# Altium PCB 2225B_VumetreFrequence_LDA.PcbDoc (part 1 of 2)
Units mm, origin at the board's own origin, x right, y up, seen from the top; angles counter-clockwise.
Board outline 167.64 x 107.19 mm, 2 copper layers (Top Layer, Bottom Layer), stack 1.586 mm thick; 145 components, 125 nets, 447 pads, 361 vias.
Unrouted connection lines stored in the file: 94.
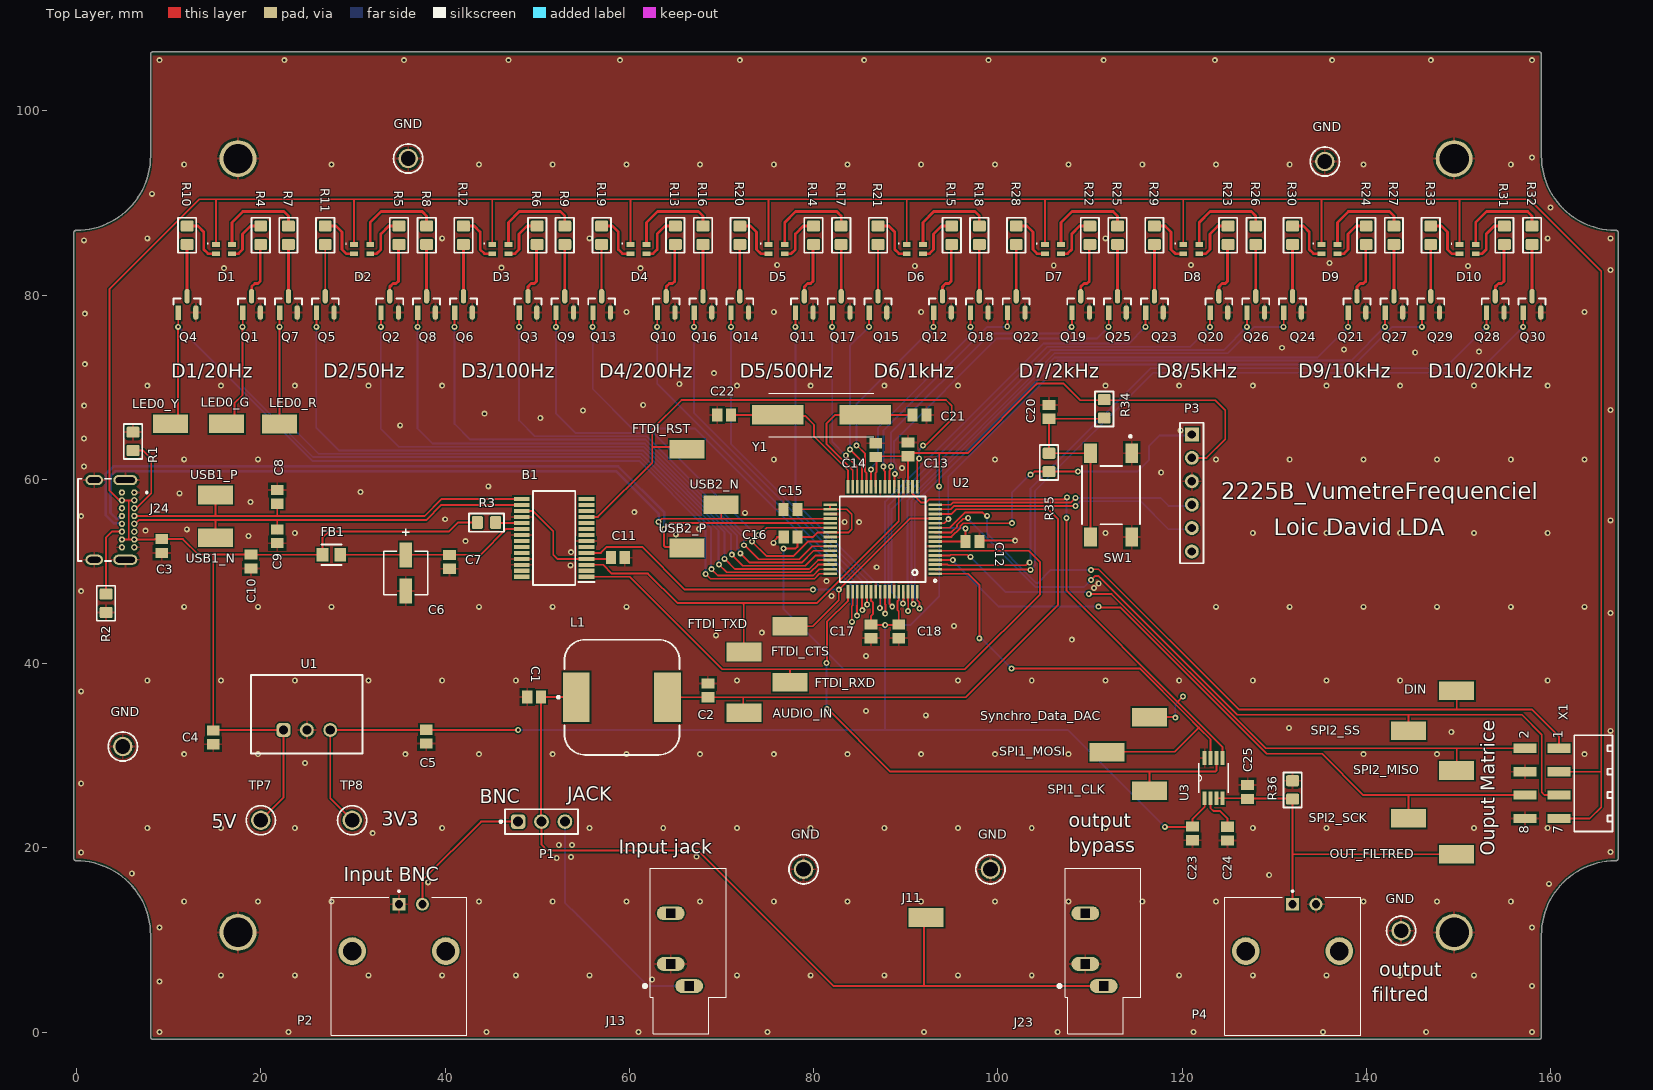
[diagram p0: Top Layer view]
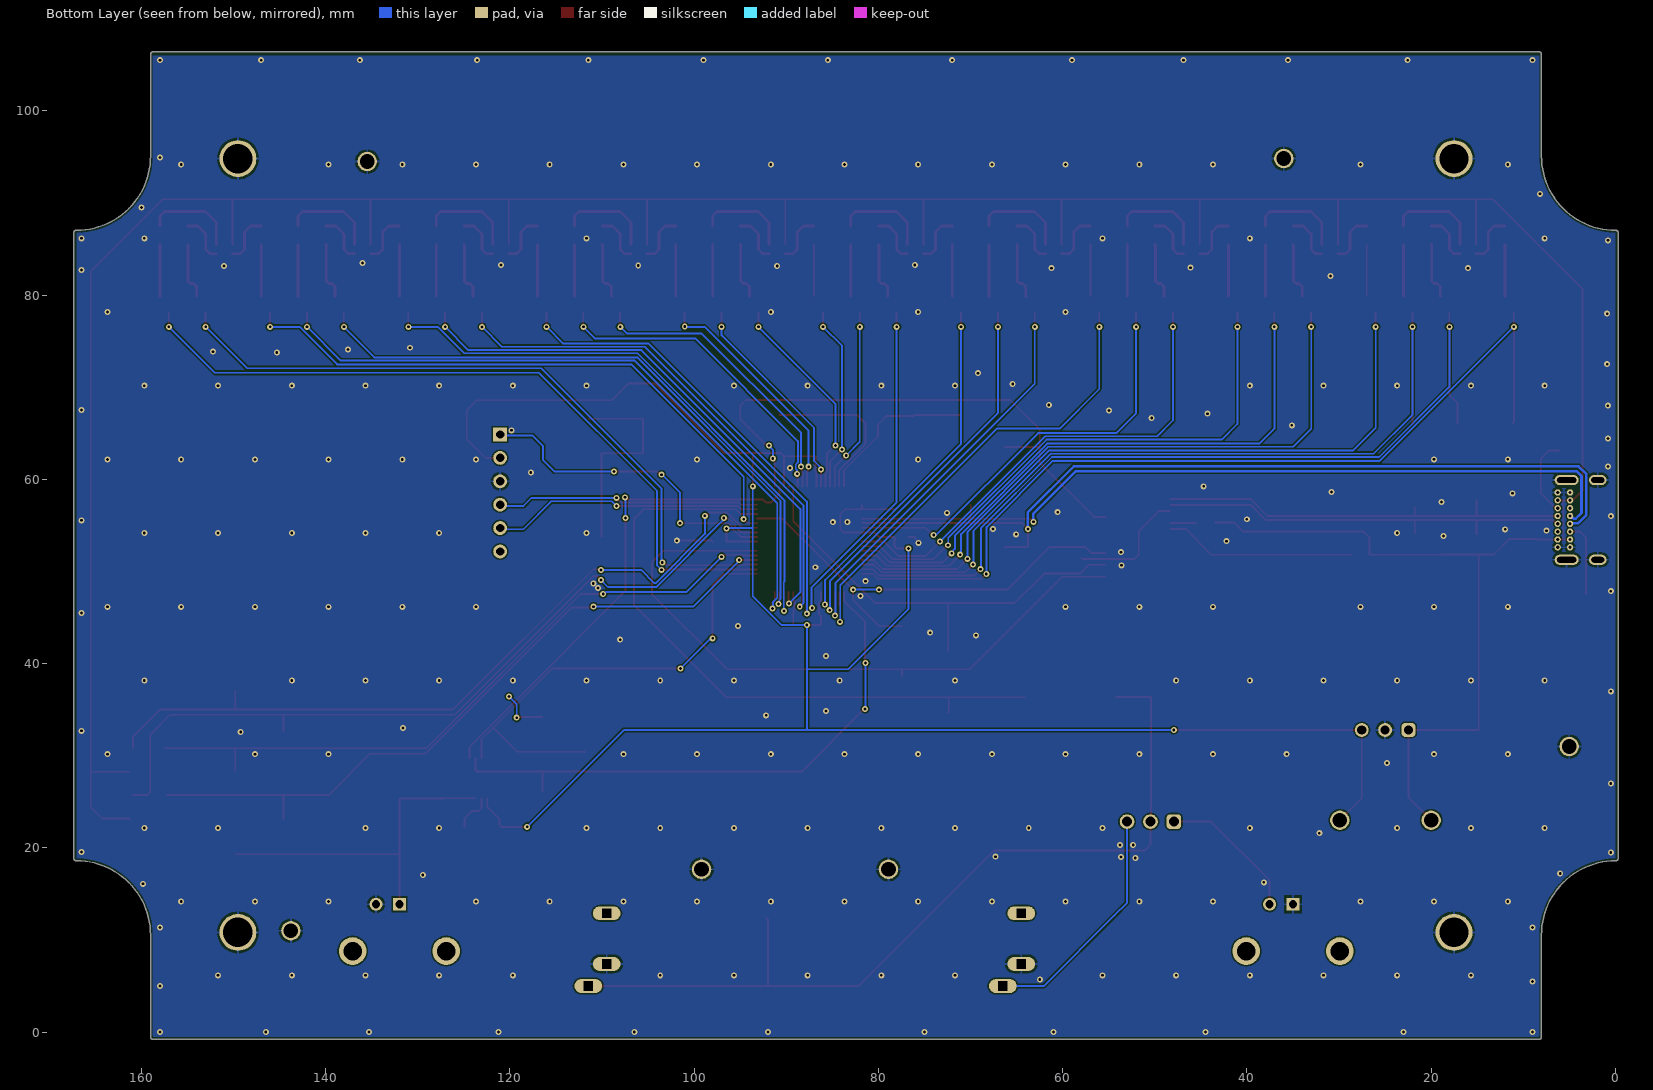
[diagram p1: Bottom Layer view, seen from below]
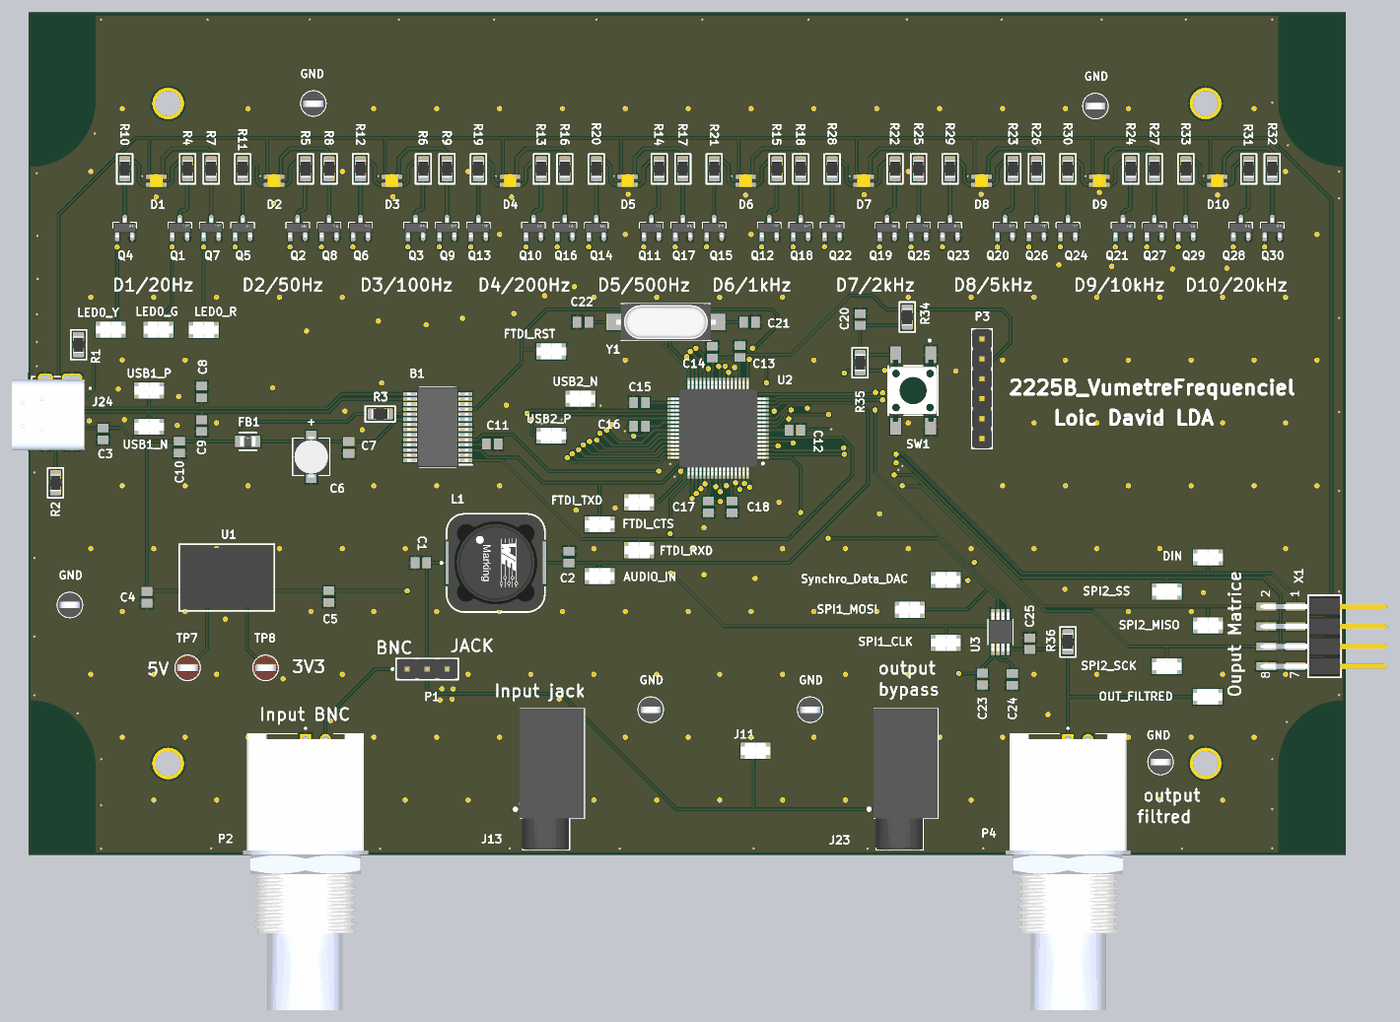
[diagram p3: 3D render of the assembled board from above, using the file's embedded part models]

## Layer stack, top to bottom
Top Solder: solder mask 0.0102, Solder Resist, Dk 3.5
Top Layer: signal copper 0.018
Dielectric1: core 1.55, FR-4, Dk 4.8
Bottom Layer: signal copper 0.018
Bottom Solder: solder mask 0.0102, Solder Resist, Dk 3.5

## Board outline
-0.044,18.606 cw(c-0.044,18.856) -0.294,18.856 -0.294,86.776 cw(c-0.044,86.776) -0.044,87.026 ccw(c-0.044,95.107) 8.037,95.107 8.037,106.116 8.034,106.156 cw(c8.288,106.156) 8.288,106.41 8.328,106.407 158.757,106.407 cw(c158.757,106.156) 159.008,106.156 159.008,95.107 ccw(c167.088,95.107) 167.049,87.026 167.088,87.03 cw(c167.088,86.776) 167.342,86.776 167.339,86.736 167.339,18.896 167.342,18.856 cw(c167.088,18.856) 167.088,18.603 167.049,18.606 ccw(c167.088,10.525) 159.008,10.525 159.008,-0.484 159.011,-0.524 cw(c158.757,-0.524) 158.757,-0.777 158.717,-0.774 8.328,-0.774 8.288,-0.777 cw(c8.288,-0.524) 8.034,-0.524 8.037,-0.484 8.037,10.525 ccw(c-0.044,10.525)

## Design rules (kind name [scope] priority, off if disabled: settings)
BoardOutlineClearance [All] p1: gap=0.25 ignorepadtopadclearanceinfootprint=FALSE except(0: Arc-SplitContinuation Track-SplitContinuation SMDPad-SplitContinuation THPad-SplitContinuation Via-SplitContinuation Fill-SplitContinuation Poly-SplitContinuation Region-SplitContinuation Text-SplitContinuation)
Clearance Clearance-xPP-xTP-xTT [All] p1: gap=0.151 ignorepadtopadclearanceinfootprint=FALSE
ComponentClearance [All] p1: gap=0.25 collisioncheckmode=3 verticalgap=0.25 showdistances=FALSE
DiffPairsRouting [All] p1: maxlimit=0.25 minlimit=0.25 mostfreqgap=0.25 toplayer_minwidth=0.1 toplayer_maxwidth=0.381 toplayer_prefwidth=0.381 bottomlayer_minwidth=0.1 bottomlayer_maxwidth=0.381 bottomlayer_prefwidth=0.381 maxuncoupledlength=12.5
Height [All] p1: minheight=0 maxheight=25 prefheight=12.5
HoleSize HoleSize-PTH [All] p1: absolutevalues=TRUE maxlimit=10 minlimit=0.25 maxpercent=80.000 minpercent=20.000
HoleToHoleClearance [All] p1: gap=0.35 allowstackedmicrovias=TRUE
MinimumAnnularRing "Minimum IAR  >0.45mm" [((ObjectKind = 'Pad') OR (ObjectKind = 'Via')) And (Layer = 'MultiLayer') And (HoleDiameter > AsMM(0.45))] p1: minimumring=0.13 // minimum inner annular ring for pads > 0.45mm finished hole size
MinimumAnnularRing "Minimum IAR <=0.45mm" [((ObjectKind = 'Pad') OR (ObjectKind = 'Via')) And (Layer = 'MultiLayer') And (HoleDiameter <= AsMM(0.45))] p2: minimumring=0.13 // minimum inner annular ring for pads <= 0.45mm finished hole size
MinimumSolderMaskSliver [All] p1: minsoldermaskwidth=0.08
PasteMaskExpansion [All] p1: expansion=-0.025
PlaneClearance PlaneClearance-IPI [All] p1: clearance=0.25
PlaneConnect [All] p1: planeconnectstyle=Relief reliefexpansion=0.175 reliefentries=4 reliefconductorwidth=0.2 reliefairgap=0.2
PolygonConnect PolygonConnect_Via [InNet('GND')] p1: thpad.connectstyle=Relief thpad.reliefconductorwidth=0.254 thpad.reliefentries=4 thpad.polygonreliefangle="90 Angle" thpad.airgapwidth=0.254 smdpad.connectstyle=Relief smdpad.reliefconductorwidth=0.254 smdpad.reliefentries=4 smdpad.polygonreliefangle="90 Angle" smdpad.airgapwidth=0.254 via.connectstyle=Direct via.reliefconductorwidth=0.254 via.reliefentries=4 via.polygonreliefangle="90 Angle" via.airgapwidth=0.254
PolygonConnect PolygonConnect-xTW [All] p2: connectstyle=Relief reliefconductorwidth=0.2 reliefentries=4 polygonreliefangle="90 Angle" airgapwidth=0.2
RoutingCorners [All] p1: cornerstyle=45-Degree minsetback=2.5 maxsetback=2.5
RoutingVias RoutingViasES [All] p1: holewidth=0.3 width=0.65 viastyle="Through Hole" minholewidth=0.25 minwidth=0.61 maxholewidth=0.45 maxwidth=0.8 // finishet hole size <= 0.45mm
SilkToSilkClearance [All] p1: silktosilkclearance=0.15
SilkToSolderMaskClearance SilkscreenOverComponentPads [IsPad] p1: minsilkscreentomaskgap=0.1 clearancetoexposedcopper=TRUE
SolderMaskExpansion [All] p1: expansion=0 istentingtop=FALSE
UnRoutedNet [All] p1: checkbadconnections=TRUE
Width Width-xTW [All] p1: maxlimit=1.5 minlimit=0.1 preferedwidth=0.2
17 further rules are at their usual default settings.

## Classes and differential pairs
component class U_RGB_LEDs: D1 D2 D3 D4 D5 D6 D7 D8 D9 D10 Q1 Q2 Q3 Q4 Q5 Q6 Q7 Q8 Q9 Q10 Q11 Q12 Q13 Q14 Q15 Q16 Q17 Q18 Q19 Q20 Q21 Q22 Q23 Q24 Q25 Q26 Q27 Q28 Q29 Q30 R4 R5 R6 R7 R8 R9 R10 R11 R12 R13 R14 R15 R16 R17 R18 R19 R20 R21 R22 R23 R24 R25 R26 R27 R28 R29 R30 R31 R32 R33 R37
component class U_MCU: C12 C13 C14 C15 C16 C17 C18 C20 C21 C22 P3 R34 R35 SW1 U U2 Y1
component class U_Com_PC: B1 C6 C7 C8 C9 C10 C11 FB1 R3
component class U_alimentation: C3 C4 C5 GND J24 R1 R2 TP7 TP8 U1
component class DAC: C23 C24 C25 OUT_FILTRED P4 R36 U3
component class 2225B_VumetreFrequenciel: AUDIO_IN C1 C2 DIN FTDI_RST FTDI_rXD FTDI_TXD J11 J13 J23 L1 LED0_G LED0_R LED0_Y P1 P2 SPI1_CLK SPI1_MOSI SPI2_MISO SPI2_SCK SPI2_SS Synchro_Data_DAC USB1_N USB1_P USB2_N USB2_P X1
differential pair USB2: +USB2_P -USB2_N
differential pair USB1: +USB1_P -USB1_N

## Components (designator, comment, footprint, x,y, rotation, side; value= is the part's Value field where it differs from the comment)
AUDIO_IN "5019" KEYSTONE_5019 72.425,34.676 r0 top (schematic designator J12)
B1 "FT232RNL-REEL" SOP65P780X200-28N 51.838,53.65 r180 top
C1 "1n" C0805 49.675,36.375 r180 top
C2 "1n" C0805 68.525,37.1 r90 top
C3 "10uF" C0805 9.25,52.775 r90 top
C4 "10uF" C0805 14.834,31.997 r90 top
C5 "22uF" C0805 37.961,32.079 r90 top
C6 "4.7u" PCAP_SVP_A5_PAN-M 35.73,49.85 r270 top
C7 "0.1u" C0805 40.5,51.05 r270 top
C8 "47p" C0805 21.785,58.101 r90 top
C9 "47p" C0805 21.785,53.825 r270 top
C10 "10n" C0805 18.95,51.08 r270 top
C11 "0.1u" C0805 58.75,51.5 r0 top
C12 "100nF" C0805 97.25,53.25 r0 top
C13 "100nF" C0805 90.25,63.258 r90 top
C14 "100nF" C0805 86.75,63.175 r90 top
C15 "100nF" C0805 77.5,56.75 r180 top
C16 "100nF" C0805 77.511,53.75 r180 top
C17 "100nF" C0805 86.25,43.5 r270 top
C18 "100nF" C0805 89.25,43.5 r270 top
C20 "100nF" C0805 105.558,67.338 r270 top
C21 "100nF" C0805 91.5,67 r0 top
C22 "100nF" C0805 70.3,67 r180 top
C23 "1nF" C0805 121.122,21.572 r90 top
C24 "10uF" C0805 124.923,21.543 r90 top
C25 "1nF" C0805 127.126,26.072 r270 top
D1 "APTF1616SURKCGKSYKC" APTF1616SURKCGKSYKC 16,85 r180 top
D2 "APTF1616SURKCGKSYKC" APTF1616SURKCGKSYKC 31,85 r180 top
D3 "APTF1616SURKCGKSYKC" APTF1616SURKCGKSYKC 46,85 r180 top
D4 "APTF1616SURKCGKSYKC" APTF1616SURKCGKSYKC 61,85 r180 top
D5 "APTF1616SURKCGKSYKC" APTF1616SURKCGKSYKC 76,85 r180 top
D6 "APTF1616SURKCGKSYKC" APTF1616SURKCGKSYKC 91,85 r180 top
D7 "APTF1616SURKCGKSYKC" APTF1616SURKCGKSYKC 106,85 r180 top
D8 "APTF1616SURKCGKSYKC" APTF1616SURKCGKSYKC 121,85 r180 top
D9 "APTF1616SURKCGKSYKC" APTF1616SURKCGKSYKC 136,85 r180 top
D10 "APTF1616SURKCGKSYKC" APTF1616SURKCGKSYKC 151,85 r180 top
DIN "5019" KEYSTONE_5019 149.821,37.046 r0 top (schematic designator J22)
FB1 "MI0805K400R-10" FP-MI0805-MFG 27.659,51.825 r180 top
FTDI_CTS "5019" KEYSTONE_5019 72.425,41.261 r0 top (schematic designator J15)
FTDI_RST "5019" KEYSTONE_5019 66.261,63.276 r0 top (schematic designator J18)
FTDI_RXD "5019" KEYSTONE_5019 77.441,37.977 r0 top (schematic designator J16)
FTDI_TXD "5019" KEYSTONE_5019 77.441,44.066 r0 top (schematic designator J17)
GND "5011" KSTN-5011_V 99.199,17.673 r0 top (schematic designator TP6)
GND "5011" KSTN-5011_V 78.921,17.673 r0 top (schematic designator TP5)
GND "5011" KSTN-5011_V 5.02,31 r0 top (schematic designator TP4)
GND "5011" KSTN-5011_V 143.786,11.008 r0 top (schematic designator TP3)
GND "5011" KSTN-5011_V 135.5,94.5 r0 top (schematic designator TP2)
GND "5011" KSTN-5011_V 36,94.825 r0 top (schematic designator TP1)
J11 "5019" KEYSTONE_5019 92.234,12.444 r0 top
J13 "SJ1-3533NG" CUI_SJ1-3533NG 66.5,5 r90 top
J23 "SJ1-3533NG" CUI_SJ1-3533NG 111.5,5 r90 top
J24 "USB4085-GF-A_REVB" GCT_USB4085-GF-A_REVB 1.915,55.6 r270 top
L1 "15 uH" WE-PD_1210 59.2,36.35 r270 top
LED0_G "5019" KEYSTONE_5019 16.299,66.029 r0 top (schematic designator J5)
LED0_R "5019" KEYSTONE_5019 22.05,66.006 r0 top (schematic designator J6)
LED0_Y "5019" KEYSTONE_5019 10.204,66.029 r0 top (schematic designator J7)
OUT_FILTRED "5019" KEYSTONE_5019 149.789,19.3 r0 top (schematic designator J25)
P1 "691312510002" 61300311121 50.475,22.85 r0 top
P2 "691312510002" LINX_CONBNC002 35,8.8 r0 top
P3 "76384-406LF" HDR1X6 121.067,64.873 r270 top
P4 "691312510002" LINX_CONBNC002 132,8.8 r0 top
Q1 "IRLML2402TRPBF" FP-Micro3-IPC_B 19,79 r90 top
Q2 "IRLML2402TRPBF" FP-Micro3-IPC_B 34,79 r90 top
Q3 "IRLML2402TRPBF" FP-Micro3-IPC_B 49,79 r90 top
Q4 "IRLML2402TRPBF" FP-Micro3-IPC_B 12,79 r90 top
Q5 "IRLML2402TRPBF" FP-Micro3-IPC_B 27,79 r90 top
Q6 "IRLML2402TRPBF" FP-Micro3-IPC_B 42,79 r90 top
Q7 "IRLML2402TRPBF" FP-Micro3-IPC_B 23,79 r90 top
Q8 "IRLML2402TRPBF" FP-Micro3-IPC_B 38,79 r90 top
Q9 "IRLML2402TRPBF" FP-Micro3-IPC_B 53,79 r90 top
Q10 "IRLML2402TRPBF" FP-Micro3-IPC_B 64,79 r90 top
Q11 "IRLML2402TRPBF" FP-Micro3-IPC_B 79,79 r90 top
Q12 "IRLML2402TRPBF" FP-Micro3-IPC_B 94,79 r90 top
Q13 "IRLML2402TRPBF" FP-Micro3-IPC_B 57,79 r90 top
Q14 "IRLML2402TRPBF" FP-Micro3-IPC_B 72,79 r90 top
Q15 "IRLML2402TRPBF" FP-Micro3-IPC_B 87,79 r90 top
Q16 "IRLML2402TRPBF" FP-Micro3-IPC_B 68,79 r90 top
Q17 "IRLML2402TRPBF" FP-Micro3-IPC_B 83,79 r90 top
Q18 "IRLML2402TRPBF" FP-Micro3-IPC_B 98,79 r90 top
Q19 "IRLML2402TRPBF" FP-Micro3-IPC_B 109,79 r90 top
Q20 "IRLML2402TRPBF" FP-Micro3-IPC_B 124,79 r90 top
Q21 "IRLML2402TRPBF" FP-Micro3-IPC_B 139,79 r90 top
Q22 "IRLML2402TRPBF" FP-Micro3-IPC_B 102,79 r90 top
Q23 "IRLML2402TRPBF" FP-Micro3-IPC_B 117,79 r90 top
Q24 "IRLML2402TRPBF" FP-Micro3-IPC_B 132,79 r90 top
Q25 "IRLML2402TRPBF" FP-Micro3-IPC_B 113,79 r90 top
Q26 "IRLML2402TRPBF" FP-Micro3-IPC_B 128,79 r90 top
Q27 "IRLML2402TRPBF" FP-Micro3-IPC_B 143,79 r90 top
Q28 "IRLML2402TRPBF" FP-Micro3-IPC_B 154,79 r90 top
Q29 "IRLML2402TRPBF" FP-Micro3-IPC_B 147,79 r90 top
Q30 "IRLML2402TRPBF" FP-Micro3-IPC_B 158,79 r90 top
R1 "5k1" RESC2012X06M 6.127,64.127 r270 top
R2 "5k1" RESC2012X06M 3.2,46.55 r90 top
R3 "100K" RESC2012X06M 44.5,55.313 r0 top
R4 "120" RESC2012X06M 20,86.5 r270 top
R5 "120" RESC2012X06M 35,86.5 r270 top
R6 "120" RESC2012X06M 50,86.5 r270 top
R7 "120" RESC2012X06M 23,86.5 r270 top
R8 "120" RESC2012X06M 38,86.5 r270 top
R9 "120" RESC2012X06M 53,86.5 r270 top
R10 "120" RESC2012X06M 12,86.5 r270 top
R11 "120" RESC2012X06M 27,86.5 r270 top
R12 "120" RESC2012X06M 42,86.5 r270 top
R13 "120" RESC2012X06M 65,86.5 r270 top
R14 "120" RESC2012X06M 80,86.5 r270 top
R15 "120" RESC2012X06M 95,86.5 r270 top
R16 "120" RESC2012X06M 68,86.5 r270 top
R17 "120" RESC2012X06M 83,86.5 r270 top
R18 "120" RESC2012X06M 98,86.5 r270 top
R19 "120" RESC2012X06M 57,86.5 r270 top
R20 "120" RESC2012X06M 72,86.5 r270 top
R21 "120" RESC2012X06M 87,86.5 r270 top
R22 "120" RESC2012X06M 110,86.5 r270 top
R23 "120" RESC2012X06M 125,86.5 r270 top
R24 "120" RESC2012X06M 140,86.5 r270 top
R25 "120" RESC2012X06M 113,86.5 r270 top
R26 "120" RESC2012X06M 128,86.5 r270 top
R27 "120" RESC2012X06M 143,86.5 r270 top
R28 "120" RESC2012X06M 102,86.5 r270 top
R29 "120" RESC2012X06M 117,86.5 r270 top
R30 "120" RESC2012X06M 132,86.5 r270 top
R31 "120" RESC2012X06M 155,86.5 r270 top
R32 "120" RESC2012X06M 158,86.5 r270 top
R33 "120" RESC2012X06M 147,86.5 r270 top
R34 "10k" RESC2012X06M 111.558,67.655 r270 top
R35 "1k" RESC2012X06M 105.558,61.838 r90 top
R36 "2k" RESC2012X06M 132,26.288 r270 top
SPI1_CLK "5019" KEYSTONE_5019 116.466,26.192 r0 top (schematic designator J2)
SPI1_MOSI "5019" KEYSTONE_5019 111.868,30.392 r0 top (schematic designator J1)
SPI2_MISO "5019" KEYSTONE_5019 149.821,28.397 r0 top (schematic designator J20)
SPI2_SCK "5019" KEYSTONE_5019 144.587,23.202 r0 top (schematic designator J21)
SPI2_SS "5019" KEYSTONE_5019 144.587,32.705 r0 top (schematic designator J19)
SW1 "FSM2JSMAA" FP-FSM2JSMAA-MFG 112.298,58.288 r0 top
Synchro_Data_DAC "5019" KEYSTONE_5019 116.466,34.192 r0 top (schematic designator J3)
TP7 "5010" KSTN-5010_V 20,23 r0 top
TP8 "5010" KSTN-5010_V 29.92,23 r0 top
U1 "173950336" WPME-FDSM_SIP-3_L11.6W8H10.4 25,34.5 r0 top
U2 "PIC32MZ2048EFH064-250I/PT" QFP50P1200X1200X120-64N 87.5,53.5 r180 top
U3 "AD5620CRMZ-1" SOP65P490X110-8N 123.424,27.572 r90 top
USB1_N "5019" KEYSTONE_5019 15.089,53.669 r0 top (schematic designator J8)
USB1_P "5019" KEYSTONE_5019 15.089,58.295 r0 top (schematic designator J4)
USB2_N "5019" KEYSTONE_5019 69.976,57.25 r0 top (schematic designator J10)
USB2_P "5019" KEYSTONE_5019 66.261,52.55 r0 top (schematic designator J9)
X1 "M20-7920442R" 610108249121 164.65,27 r90 top
Y1 "ABLS-20.000MHZ-B2-T" XTAL_ABLS-20.000MHZ-B2-T 80.85,67 r0 top

## Footprints (in the part's own frame and the unit in brackets; to place one, negate y for a bottom-side part, rotate by r counter-clockwise, add the part's x,y. Pads: shape width x height; smd on the part's side, far side on the other; paste and mask are expansions set on the pad)
61300311121 [mm] "Pin Header, pitch 2.54 mm, THT, Vertical, single row, 3p"
  rrect50% 1.6x1.6 hole 1.1: 1(-2.54,0)
  round 1.6 hole 1.1: 2(0,0) 3(2.54,0)
  silkscreen extent -4.53,-1.35 3.96,1.35, body extent -3.81,-1.27 3.81,1.27, height 8.57
610108249121 [mm] "Pin Header, pitch 2.54 mm, SMD, Angled, dual row, 8p"
  rect 1x2.5 smd: 1(3.81,3.72) 2(3.81,7.42) 3(1.27,3.72) 4(1.27,7.42) 5(-1.27,3.72) 6(-1.27,7.42) 7(-3.81,3.72) 8(-3.81,7.42)
  silkscreen extent -5.23,-2.07 5.23,2.07, body extent -5.08,-8 5.08,8.16, height 5.1
APTF1616SURKCGKSYKC [mm]
  rect 0.85x0.5 smd: 1(0.875,-0.5) 2(-0.875,-0.5) 3(-0.875,0.5) 4(0.875,0.5)
  silkscreen extent 1.7,-0.65 1.8,-0.55, body extent -0.8,-0.8 0.8,0.8, height 0.7
C0805 [mm] "Chip Capacitor, Body 2.0x1.3mm, IPC High Density"
  rect 1.1x1.4 smd: 1(-0.75,0) 2(0.75,0)
  body extent -1.1,-0.72 1.1,0.72, height 1.4
CUI_SJ1-3533NG [mm]
  oval 1.508x3.016 hole 1 square: 1(0,0) 2(2.4,2) 3(7.9,2)
  silkscreen extent -5.2,-4 12.8,4.97, body extent -5.22,-3.94 12.84,4.26, height 12.4
FP-FSM2JSMAA-MFG [mm]
  rect 1.38x2.1 smd paste+0 mask+0: 1(2.25,4.55) 2(2.24,-4.55) 3(-2.24,4.55) 4(-2.24,-4.55)
  silkscreen extent -3.15,-3.15 3.15,6.5, body extent -3.25,-5.7 3.25,5.7, height 0.25
FP-MI0805-MFG [mm]
  rect 1.285x1.47 smd paste+0 mask+0: 1(-0.972,0) 2(0.972,0)
  silkscreen extent -1.1,-1.12 1.1,1.12, body extent -1.72,-0.83 1.72,0.83, height 0.25
FP-Micro3-IPC_B [mm]
  rect 1.574x0.572 smd paste+0 mask+0: 1(-0.885,0.95)
  rrect100% 1.574x0.572 smd paste+0 mask+0: 2(-0.885,-0.95) 3(0.885,0)
  silkscreen extent 0,-1.46 0.65,1.46, body extent -1.92,-1.71 1.92,1.71, height 0.25
GCT_USB4085-GF-A_REVB [mm]
  round 0.69 hole 0.35: A1(-2.975,4.36) A4(-2.125,4.36) A5(-1.275,4.36) A6(-0.425,4.36) A7(0.425,4.36) A8(1.275,4.36) A9(2.125,4.36) A12(2.975,4.36) B1(2.975,3.01) B4(2.125,3.01) B5(1.275,3.01) B6(0.425,3.01) B7(-0.425,3.01) B8(-1.275,3.01) B9(-2.125,3.01) B12(-2.975,3.01)
  oval 1.1x1.9 hole 0.6 slot 1.4 at 90 deg: S1(-4.325,0) S2(4.325,0)
  oval 1.1x2.6 hole 0.6 slot 2.1 at 90 deg: S3(-4.325,3.38) S4(4.325,3.38)
  silkscreen extent -4.47,-1.74 4.47,5.8, body extent -4.09,-4.25 4.85,4.92, height 3.46
HDR1X6 [mm] "Connector; Header; 6 Position"
  rect 1.5x1.5 hole 0.9: 1(0,0)
  round 1.5 hole 0.9: 2(2.54,0) 3(5.08,0) 4(7.62,0) 5(10.16,0) 6(12.7,0)
  silkscreen extent -1.27,-1.27 13.97,1.27, body extent -1.27,-1.27 13.97,1.27, height 8.77
KEYSTONE_5019 [mm]
  rect 3.8x2.03 smd: 1(0,0)
  body extent -1.91,-1.01 1.91,1.01, height 2.29
KSTN-5010_V [mm] "Test Point, Dia 3.17mm"
  round 2.1 hole 1.6: 1(0,0)
  silkscreen extent -1.59,-1.58 1.59,1.58, body extent -1.59,-1.59 1.59,1.59, height 8.13
KSTN-5011_V [mm] "Test Point, Dia 3.17mm"
  round 2.1 hole 1.6: 1(0,0)
  silkscreen extent -1.59,-1.58 1.59,1.58, body extent -1.59,-1.59 1.59,1.59, height 8.13
LINX_CONBNC002 [mm]
  rect 1.398x1.398 hole 0.89: 1(0,5.08)
  round 1.398 hole 0.89: 2(2.54,5.08)
  round 3 hole 2: S1(-5.08,0) S2(5.08,0)
  silkscreen extent -7.37,-9.12 7.37,6.6, body extent -7.95,-29.38 7.95,5.82, height 14.89
PCAP_SVP_A5_PAN-M [mil]
  rect 107x52 smd paste+0 mask+0: 1(-77,0) 2(77,0)
  silkscreen extent -190,-94 94,94, body extent -103,-89 103,89, height 219
QFP50P1200X1200X120-64N [mm]
  rect 1.45x0.3 smd: 1(-5.7,3.75) 2(-5.7,3.25) 3(-5.7,2.75) 4(-5.7,2.25) 5(-5.7,1.75) 6(-5.7,1.25) 7(-5.7,0.75) 8(-5.7,0.25) 9(-5.7,-0.25) 10(-5.7,-0.75) 11(-5.7,-1.25) 12(-5.7,-1.75) 13(-5.7,-2.25) 14(-5.7,-2.75) 15(-5.7,-3.25) 16(-5.7,-3.75) 33(5.7,-3.75) 34(5.7,-3.25) 35(5.7,-2.75) 36(5.7,-2.25) 37(5.7,-1.75) 38(5.7,-1.25) 39(5.7,-0.75) 40(5.7,-0.25) 41(5.7,0.25) 42(5.7,0.75) 43(5.7,1.25) 44(5.7,1.75) 45(5.7,2.25) 46(5.7,2.75) 47(5.7,3.25) 48(5.7,3.75)
  rect 0.3x1.45 smd: 17(-3.75,-5.7) 18(-3.25,-5.7) 19(-2.75,-5.7) 20(-2.25,-5.7) 21(-1.75,-5.7) 22(-1.25,-5.7) 23(-0.75,-5.7) 24(-0.25,-5.7) 25(0.25,-5.7) 26(0.75,-5.7) 27(1.25,-5.7) 28(1.75,-5.7) 29(2.25,-5.7) 30(2.75,-5.7) 31(3.25,-5.7) 32(3.75,-5.7) 49(3.75,5.7) 50(3.25,5.7) 51(2.75,5.7) 52(2.25,5.7) 53(1.75,5.7) 54(1.25,5.7) 55(0.75,5.7) 56(0.25,5.7) 57(-0.25,5.7) 58(-0.75,5.7) 59(-1.25,5.7) 60(-1.75,5.7) 61(-2.25,5.7) 62(-2.75,5.7) 63(-3.25,5.7) 64(-3.75,5.7)
  silkscreen extent -5.84,-4.65 4.65,4.65, body extent -6,-6 6,6, height 1.23
RESC2012X06M [mm] "Chip Resistor, 2-Leads, Body 2.00x1.25mm, IPC Low Density"
  rrect25% 1.2x1.4 smd: 1(-1,0) 2(1,0)
  silkscreen extent -1.9,-1 1.9,1, body extent -1.05,-0.63 1.05,0.63, height 0.6
SOP65P490X110-8N [mil]
  rect 59x17 smd: 1(-86,38) 2(-86,13) 3(-86,-13) 4(-86,-38) 5(86,-38) 6(86,-13) 7(86,13) 8(86,38)
  silkscreen extent -63,-63 63,63, body extent -96,-59 96,59, height 43
SOP65P780X200-28N [mm]
  rect 1.725x0.45 smd: 1(-3.512,4.225) 2(-3.512,3.575) 3(-3.512,2.925) 4(-3.512,2.275) 5(-3.512,1.625) 6(-3.512,0.975) 7(-3.512,0.325) 8(-3.512,-0.325) 9(-3.512,-0.975) 10(-3.512,-1.625) 11(-3.512,-2.275) 12(-3.512,-2.925) 13(-3.512,-3.575) 14(-3.512,-4.225) 15(3.512,-4.225) 16(3.512,-3.575) 17(3.512,-2.925) 18(3.512,-2.275) 19(3.512,-1.625) 20(3.512,-0.975) 21(3.512,-0.325) 22(3.512,0.325) 23(3.512,0.975) 24(3.512,1.625) 25(3.512,2.275) 26(3.512,2.925) 27(3.512,3.575) 28(3.512,4.225)
  silkscreen extent -4.38,-5.1 2.3,5.1, body extent -3.9,-5.1 3.9,5.1, height 2
WE-PD_1210 [mm] "SMT Shielded Power Inductor, 2-leads, body 12x12mm"
  rect 5.4x2.9 smd: 1(0,-4.95) 2(0,4.95)
  silkscreen extent -6.25,-7.02 6.25,6.25, body extent -6,-6 6,6, height 9.46
WPME-FDSM_SIP-3_L11.6W8H10.4 [mm] "Fixed Step Down Regulator Module, SIP-3, body 11.60x80mm"
  rrect50% 1.5x1.5 hole 1: 1(-2.54,-1.7)
  round 1.5 hole 1: 2(0,-1.7) 3(2.54,-1.7)
  silkscreen extent -6.05,-4.25 6.05,4.25, body extent -5.8,-3.77 5.8,3.77, height 11.08
XTAL_ABLS-20.000MHZ-B2-T [mm]
  rect 5.6x2.1 smd: 1(-4.75,0) 2(4.75,0)
  silkscreen extent -5.7,-2.35 5.7,2.35, body extent -6.35,-2.35 6.35,2.35, height 4.06

## Part data
AUDIO_IN DIN FTDI_CTS FTDI_RST FTDI_RXD FTDI_TXD J11 LED0_G LED0_R LED0_Y OUT_FILTRED SPI1_CLK SPI1_MOSI SPI2_MISO SPI2_SCK SPI2_SS Synchro_Data_DAC USB1_N USB1_P USB2_N USB2_P: library part CMP-1672-00008-2, Manufacturer="Keystone Electronics", Contact Material="Bronze, Silver", Contact Plating=Silver, Height=2.286mm, Lead Free="Lead Free", Manufacturer Part Number=5019, Material=Bronze, Mount="Surface Mount", NexarPartId=22052288, Number of Contacts=1, Number of Pins=1, Packaging="Tape and Reel", REACH SVHC="No SVHC", RoHS=Compliant, Termination=SMD/SMT
B1: "UART Interface IC USB Full Speed to Serial UART IC, Includes Oscillator and EEPROM, SSOP-28", Manufacturer_Name="FTDI Chip", Mouser Part Number=895-FT232RNL-REEL, Arrow Part Number=FT232RNL-REEL, Arrow Price/Stock=https://www.arrow.com/en/products/ft232rnl-reel/ftdi-chip?utm_currency=USD&region=europe, Datasheet Link=https://ftdichip.com/wp-content/uploads/2022/12/DS_FT232RN.pdf, Geometry.Height=2mm, Manufacturer_Part_Number=FT232RNL-REEL, Mouser Price/Stock=https://www.mouser.co.uk/ProductDetail/FTDI/FT232RNL-REEL?qs=By6Nw2ByBD3LSfXryh9qRQ%3D%3D
C1 C2 C3 C4 C5 C7 C8 C9 C10 C11 C12 C13 C14 C15 C16 C17 C18 C23 C24 C25: library part Cap, "Capacitor", LatestRevisionDate=17-Jul-2002, LatestRevisionNote="Re-released for DXP Platform.", PackageDescription="Radial Cap, Thru-Hole; 2 Leads; 0.3 in Pin Spacing", PackageReference=RAD-0.3, Published=8-Jun-2000, Publisher="Altium Limited"
C6: library part "Cap Pol1", "Polarized Capacitor (Radial)", LatestRevisionDate=17-Jul-2002, LatestRevisionNote="Re-released for DXP Platform.", PackageDescription="Polarized Capacitor (Radial); 2 Leads", PackageReference=RB7.6-15, Published=8-Jun-2000, Publisher="Altium Limited"
C20 C21 C22: library part Cap, "10nf", LatestRevisionDate=17-Jul-2002, LatestRevisionNote="Re-released for DXP Platform.", PackageDescription="Radial Cap, Thru-Hole; 2 Leads; 0.3 in Pin Spacing", PackageReference=RAD-0.3, Published=8-Jun-2000, Publisher="Altium Limited"
D1 D2 D3 D4 D5 D6 D7 D8 D9 D10: "Green, Red, Yellow 570nm Green, 630nm Red, 590nm Yellow LED Indication - Discrete 2.1V Green, 1.95V Red, 2V Yellow 4-SMD, No Lead", Manufacturer_Name=Kingbright, Mouser Part Number=604-APTF1616KCGKSYKC, Arrow Part Number=APTF1616SURKCGKSYKC, Arrow Price/Stock=https://www.arrow.com/en/products/aptf1616surkcgksykc/kingbright?region=nac, Datasheet Link=https://www.kingbrightusa.com/images/catalog/SPEC/APTF1616SURKCGKSYKC.pdf, Geometry.Height=0.9mm, Manufacturer_Part_Number=APTF1616SURKCGKSYKC, Mouser Price/Stock=https://www.mouser.co.uk/ProductDetail/Kingbright/APTF1616SURKCGKSYKC?qs=FESYatJ8odK7UleJtP4p0g%3D%3D
FB1: library part CMP-2000-06702-2, "FERRITE BEAD 40 OHM 0805 1LN", Case Code (Imperial)=0805, Case Code (Metric)=2012, Current Rating=1.5A, DC Resistance (DCR)=50mR, Frequency=100MHz, Max Operating Temperature=125°C, Min Operating Temperature=-40°C, Package Quantity=1, Tolerance=25%, Case/Package=0805, Contact Plating=Tin, Core Material=Ferrite, Depth=1.45mm, Height=0.043inch, Impedance=40R, Lead Free="Lead Free", Length=2mm, Material=Ferrite, Max Current Rating=1.5A, Max DC Current=1.5A, Mount="Surface Mount", Number of Lines=1, Packaging="Tape and Reel", Termination=SMD/SMT, Test Frequency=100MHz, Weight=0.00392oz, Width=0.049inch
GND GND GND GND GND GND: library part CMP-1672-00003-4, "Test Point, Black, Through Hole, RoHS, Bulk", Colour=Black, Manufacturer=Keystone, Package Quantity=100, ComponentLink1Description="Manufacturer URL", ComponentLink1URL=http://www.keyelco.com/, ComponentLink2Description=Datasheet, ComponentLink2URL=http://www.keyelco.com/product-pdf.cfm?p=1320, Contact Material=Bronze, Contact Plating=Silver, DatasheetVersion="Rev. F, 12/2013", Height="8.12 mm", Mount="Through Hole", Mounting Technology="Through Hole", PackageDescription="1-Pin Through Hole Device, Dia 3.17 mm", PackageReference=5011, Packaging=Bulk, Pins=1, REACH SVHC="No SVHC", RoHSCompliant=true
J13 J23: "3.5 mm Right-Angle Stereo Jack, 3 Pin PCB Mount, Isolated Ground", Package=None, Availability=Unavailable, MF="{'manufacturer': u'CUI'}", MP=SJ1-3533NG, Price=None
J24: "USB-C (USB TYPE-C) USB 2.0 æ’åº§è¿žæŽ¥å™¨ 24 (16+8 Dummy) ä½é€šå­”ã€ç›´è§’ã€ä½Žæˆæœ¬ã€3.46mm å¤–å½¢ã€16 é’ˆã€æ°´å¹³ã€é¡¶éƒ¨å®‰è£…", Package=None, Check_prices=https://www.snapeda.com/parts/USB4085-GF-A/Global+Connector+Technology/view-part/?ref=eda, MF="Global Connector Technology", MP=USB4085-GF-A, SnapEDA_Link=https://www.snapeda.com/parts/USB4085-GF-A/Global+Connector+Technology/view-part/?ref=snap
L1: library part CDRH125NP-220MC, "Fixed Inductors 22uH 2.80A 0.028ohms", Manufacturer_Name=Sumida, Datasheet Link=http://products.sumida.com/products/pdf/CDRH125,CDRH125LD.pdf, Geometry.Height=6mm, Manufacturer_Part_Number=CDRH125NP-220MC
P1: library part MHDR1X3, "Header, 3-Pin", LatestRevisionDate=17-Jul-2002, LatestRevisionNote="Re-released for DXP Platform.", Publisher="Altium Limited"
P2 P4: library part MHDR1X2, "Header, 2-Pin", LatestRevisionDate=17-Jul-2002, LatestRevisionNote="Re-released for DXP Platform.", Publisher="Altium Limited"
P3: library part "Header 6", "Header, 6-Pin", LatestRevisionDate=17-Jul-2002, LatestRevisionNote="Re-released for DXP Platform.", Publisher="Altium Limited"
Q1 Q2 Q3 Q4 Q5 Q6 Q7 Q8 Q9 Q10 Q11 Q12 Q13 Q14 Q15 Q16 Q17 Q18 Q19 Q20 Q21 Q22 Q23 Q24 Q25 Q26 Q27 Q28 Q29 Q30: library part CMP-32901-000179-1, "MOSFET N-CH 20V 1.2A SOT-23", Case/Package=SOT-23, Continuous Drain Current (ID)=1.2A, Drain to Source Breakdown Voltage=20V, Drain to Source Resistance=350mR, Gate to Source Voltage (Vgs)=12V, Input Capacitance=110pF, Max Operating Temperature=150°C, Max Power Dissipation=540mW, Min Operating Temperature=-55°C, Power Dissipation=540W, Threshold Voltage=700mV, Contact Plating=Tin, Drain to Source Voltage (Vdss)=20V, Element Configuration=Single, Halogen Free="Halogen Free", Height=0.04inch, Lead Free="Lead Free", Length=0.119inch, Max Dual Supply Voltage=20V, Mount="Surface Mount", Number of Pins=3, Packaging="Tape and Reel", Rds On Max=250mR, REACH SVHC="No SVHC", Rise Time=9.5ns, Turn-Off Delay Time=9.7ns, Turn-On Delay Time=2.5ns, Width=0.055inch
R1 R2 R3 R4 R5 R6 R7 R8 R9 R10 R11 R12 R13 R14 R15 R16 R17 R18 R19 R20 R21 R22 R23 R24 R25 R26 R27 R28 R29 R30 R31 R32 R33 R34 R35 R36: library part Res2, "Resistor", LatestRevisionDate=17-Jul-2002, LatestRevisionNote="Re-released for DXP Platform.", PackageDescription="Axial Device, Thru-Hole; 2 Leads; 0.4 in Pin Spacing", PackageReference=AXIAL-0.4, Published=8-Jun-2000, Publisher="Altium Limited"
SW1: library part CMP-03402-000003-1, "SWITCH TACTILE SPST-NO 0.05A 24V", Contact Current Rating=50mA, Contact Resistance=100mΩ, Manufacturer="TE Connectivity", Operating Force=260gf, Package=0, Temperature="-35°C to +85°C", Temperature Range High=+85°C, Temperature Range Low=-35°C, Voltage Rating Dc=24V, Automotive=No, Category=Switch, ComponentLink2Description=Datasheet, ComponentLink2URL=https://www.te.com/commerce/DocumentDelivery/DDEController?Action=showdoc&DocId=Customer+Drawing%7F2-1437565-7%7FV%7Fpdf%7FEnglish%7FENG_CD_2-1437565-7_V.pdf%7F2-1437565-8, Device Class L1=Electromechanical, Device Class L2=Switches, Device Class L3="Pushbutton Switches", Digikey Description="SWITCH TACTILE SPST-NO 0.05A 24V", Electromechanical Life=100000Cycles, Height=4.59mm, Lead Free=Yes, Manufacturer Part Number=FSM2JSMAA, Mount="Surface Mount", Mouser Description="Tactile Switches TACTILE 260G FORCE S", Octopart=https://octopart.com/fsm2jsmaa-te+connectivity-41720620, RoHS=TRUE, Standoff Height=0.05mm, Throw Configuration=SPST-NO
TP7 TP8: library part CMP-1672-00002-4, "Test Point, Red, Through Hole, RoHS, Bulk", Colour=Red, Manufacturer=Keystone, Package Quantity=100, ComponentLink1Description="Manufacturer URL", ComponentLink1URL=http://www.keyelco.com/, ComponentLink2Description=Datasheet, ComponentLink2URL=http://www.keyelco.com/product-pdf.cfm?p=1319, Contact Material=Bronze, Contact Plating=Silver, DatasheetVersion="Rev. F, 12/2013", Height="8.12 mm", Mount="Through Hole", Mounting Technology="Through Hole", PackageDescription="1-Pin Through Hole Device, Dia 3.17 mm", PackageReference=5010, Packaging=Bulk, Pins=1, REACH SVHC="No SVHC", RoHSCompliant=true
U1: library part 173950536
U2: "MIPS32Â® M-Class PICÂ® 32MZ Microcontroller IC 32-Bit 250MHz 2MB _2M x 8_ FLASH 64-TQFP _10x10_", Package="TQFP-64 Microchip", Digi-Key_Part_Number=PIC32MZ2048EFH064-250I/PT-ND, Digi-Key_Purchase_URL=https://www.digikey.com/product-detail/en/microchip-technology/PIC32MZ2048EFH064-250I-PT/PIC32MZ2048EFH064-250I-PT-ND/6152256?utm_source=snapeda&utm_medium=aggregator&utm_campaign=symbol, MF=Microchip, MP=PIC32MZ2048EFH064-250I/PT, SnapEDA_Link=https://www.snapeda.com/parts/PIC32MZ2048EFH064-250I/PT/Microchip/view-part/1145914/?ref=snap
U3: "Single, 12-Bit nanoDACÂ® with 5 ppm/Â°C On-Chip Reference in SOT-23", Package="MSOP-8 Analog Devices", Availability="In Stock", Check_prices=https://www.snapeda.com/parts/AD5620CRMZ-1/Analog+Devices/view-part/?ref=eda, MF="Analog Devices", MP=AD5620CRMZ-1, Price=None, Purchase-URL=https://pricing.snapeda.com/search/part/AD5620CRMZ-1/?ref=eda, SnapEDA_Link=https://www.snapeda.com/parts/AD5620CRMZ-1/Analog+Devices/view-part/?ref=snap
X1: library part 610108249121, "WR-PHD Pin Header, THT, pitch 2.54mm, Dual Row, Angled, 8p", Contact Resistance=20mOhm, Manufacturer="Wurth Elektronik", Manufacturer Part Number=61300821021, Operating Temperature="-40 to +105degC", Rated Current=3A, Withstanding Voltage=500VAC, Working Voltage=250VAC, ComponentLink1Description=Manufacturer, ComponentLink1URL=http://www.we-online.de, ComponentLink2Description=Datasheet, ComponentLink2URL=https://www.we-online.com/catalog/datasheet/61300821021.pdf, Gender="Pin Header", Mounting Technology=THT, Orientation=Angled, Packaging=Bag, Pin Number=8, Pitch=2.54mm, Row Number=Dual
Y1: "HC/49US (AT49) SMD LOW PROFILE CRYSTAL", Package="HC-49/US Abracon LLC", Availability="In Stock", Check_prices=https://www.snapeda.com/parts/ABLS-20.000MHZ-B2-T/Abracon+LLC/view-part/?ref=eda, MF="Abracon LLC", MP=ABLS-20.000MHZ-B2-T, Price=None, Purchase-URL=https://pricing.snapeda.com/search/part/ABLS-20.000MHZ-B2-T/?ref=eda, SnapEDA_Link=https://www.snapeda.com/parts/ABLS-20.000MHZ-B2-T/Abracon+LLC/view-part/?ref=snap

## Free pads (board coordinates)
  round 4 hole 3.2: ""(17.525,10.825) ""(17.525,94.825) ""(149.525,10.825) ""(149.525,94.825)

## Via types
v1: diameter 0.65, hole 0.3, Top Layer to Bottom Layer, 298 vias
v2: diameter 0.65, hole 0.3, Top Layer to Bottom Layer, tented both sides, 63 vias

## Nets (pads, with @x,y where several pads share a name; then routed paths per layer and width w, separated by ;. In a path a pad name is that pad's centre, name@x,y a point inside that pad or via, vN(x,y) a via of type N, cw(c..) or ccw(c..) an arc to the next point about the centre after c; other vN are vias at no path point)
3V3: C5.2 C12.1 C13.1 C14.1 C15.1 C16.1 C17.1 C18.1 C23.2 P3.2 R34.1 TP8.1 U1.3 U2.8 U2.19 U2.26 U2.33 U2.34 U2.39 U2.54 U2.60 U3.1 | length 258.5
  Top Layer w0.2: TP8.1@29.92,23 27.54,25.38 U1.3@27.54,32.8 34,32.8 v1(47.935,32.8) ; v1(76.75,52.502) 78.077,52.502 78.25,52.675 78.25,53.739 C16.1@78.261,53.75 79.971,53.75 80.471,54.25 U2.39@81.8,54.25 83.806,54.25 84.14,54.584 84.14,56.218 83.608,56.75 U2.34@81.8,56.75 ; C15.1@78.25,56.75 U2.34@81.8,56.75 ; U2.33@81.8,57.25 U2.34@81.8,56.75 ; U2.54@86.25,47.8 86.25,46.804 86.461,46.594 86.461,45.409 86.25,45.199 C17.1@86.25,44.25 86.318,44.182 v1(87.774,44.182) 89.182,44.182 C18.1@89.25,44.25 89.25,45.68 89.13,45.8 89.13,46.78 89.25,46.9 U2.60@89.25,47.8 ; U2.26@86.75,59.2 86.744,59.206 86.744,60.689 86.826,60.771 86.826,62.399 86.75,62.475 86.783,62.508 C13.1@90.25,62.508 ; U2.19@90.25,59.2 90.25,61.75 C13.1@90.25,62.508 ; U2.8@93.2,53.25 C12.1@96.5,53.25 v1(96.5,54.669) ; v1(93.643,59.246) 93.643,62.835 93.654,62.846 ; v1(118.13,22.281) 120.931,22.281 121.122,22.472 121.122,23.104 122.458,24.44 U3.1@122.458,25.388 ; P3.2@121.067,62.333 122.654,62.333 124.689,64.369 124.689,67.521 123.627,68.583 108.964,68.583 107.155,70.392 104.228,70.392 104.192,70.356 104.192,70.318 96.72,62.846 93.654,62.846 ; C13.1@90.25,62.508 90.589,62.846 93.654,62.846
  Bottom Layer w0.2: v1(47.935,32.8) 87.774,32.8 ; v1(76.75,52.502) 76.75,45.914 83.273,39.391 87.774,39.391 ; v1(93.643,59.246) 93.643,54.723 ; v1(96.5,54.669) 96.446,54.723 93.643,54.723 ; v1(118.13,22.281) 107.61,32.8 87.774,32.8 ; 87.774,32.8 87.774,39.391 ; 87.774,39.391 v1(87.774,44.182) 90.507,44.182 93.643,47.317 93.643,54.723
5V: C3.2 C4.2 C10.1 D1.1 D2.1 D3.1 D4.1 D5.1 D6.1 D7.1 D8.1 D9.1 D10.1 FB1.2 J24.A4 J24.A9 J24.B4 J24.B9 R3.1 TP7.1 U1.1 X1.3 X1.7 | length 393.8
  Top Layer w0.2: J24.B4@4.925,53.475 5.663,53.475 ; J24.A4@6,57.725 5.663,57.725 ; D1.1@15.125,85.5 15.125,90.412 ; TP7.1@20,23 22.46,25.46 U1.1@22.46,32.8 14.887,32.8 C4.2@14.834,32.747 14.834,51.83 ; 22.589,51.824 20.981,51.824 18.955,51.825 C10.1@18.95,51.83 14.834,51.83 ; 22.59,51.825 FB1.2@26.686,51.825 26.686,53.655 27.357,54.325 40.397,54.325 41.385,55.313 R3.1@43.5,55.313 ; D2.1@30.125,85.5 30.125,90.412 ; D3.1@45.125,85.5 45.125,90.412 ; D4.1@60.125,85.5 60.125,90.412 ; D5.1@75.125,85.5 75.125,90.412 ; D6.1@90.125,85.5 90.125,90.412 ; D7.1@105.125,85.5 105.125,90.412 ; D8.1@120.125,85.5 120.125,90.412 ; D9.1@135.125,85.5 135.125,90.412 ; D10.1@150.125,85.5 150.125,90.412 ; X1.7@161.28,23.19 164.256,23.19 165.5,24.434 165.5,28.27 ; X1.3@161.28,28.27 165.5,28.27 ; 5.663,53.475 J24.A9@6.275,53.475 8.45,53.475 8.5,53.525 C3.2@9.25,53.525 11.543,53.525 13.238,51.83 14.834,51.83 ; 5.663,53.475 5.663,57.725 ; 5.663,57.725 J24.B9@4.925,57.725 4.65,57.725 3.569,58.806 3.569,80.639 13.342,90.412 150.125,90.412 ; 150.125,90.412 157.702,90.412 165.5,82.614 165.5,28.27
DIN: DIN.1 U2.11 X1.1 | length 84.2
  Top Layer w0.2: U2.11@93.2,54.75 94.774,54.75 96.419,56.395 98.371,56.395 98.726,56.04 v1(98.848,56.04) ; v1(110.131,50.174) 110.206,50.25 110.932,50.25 126.152,35.03 149.789,35.03 ; DIN.1@149.821,37.046 149.821,35.061 149.789,35.03 ; X1.1@160.93,30.81 160.93,32.065 157.965,35.03 149.789,35.03
  Bottom Layer w0.2: v1(98.848,56.04) 98.848,54.076 104.176,48.748 104.341,48.748 105.767,50.174 v1(110.131,50.174)